# KiCad board sofle_nest.kicad_pcb
date: 2024-07-04; rev: v3.5.6
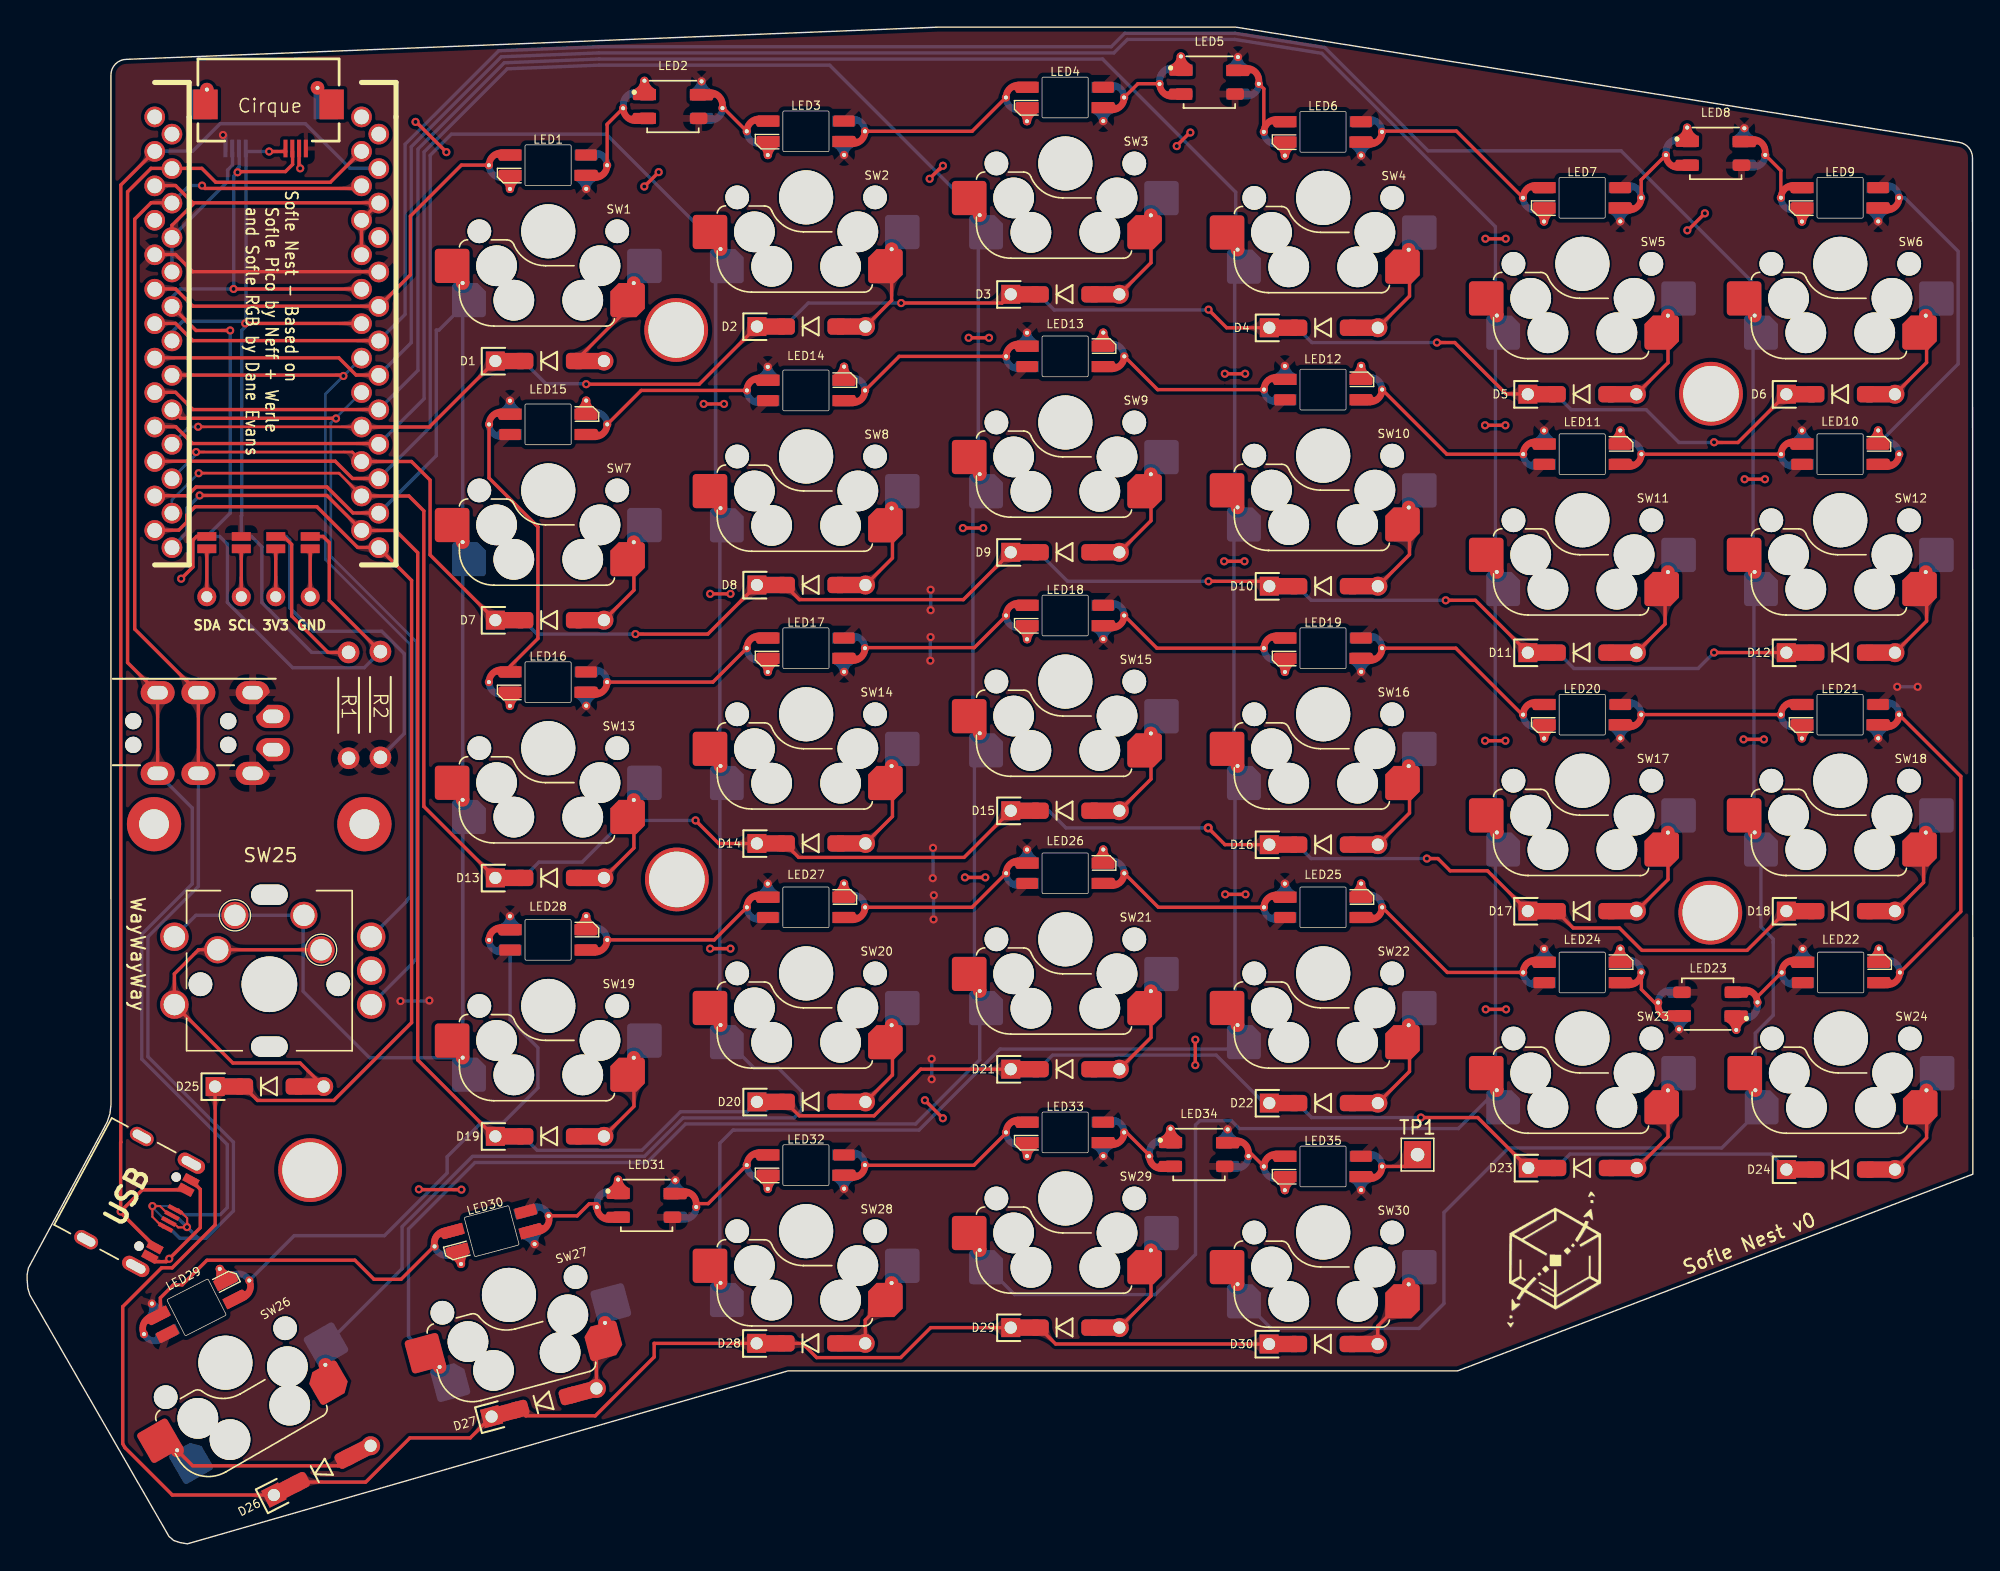
[diagram p0: board, top side]
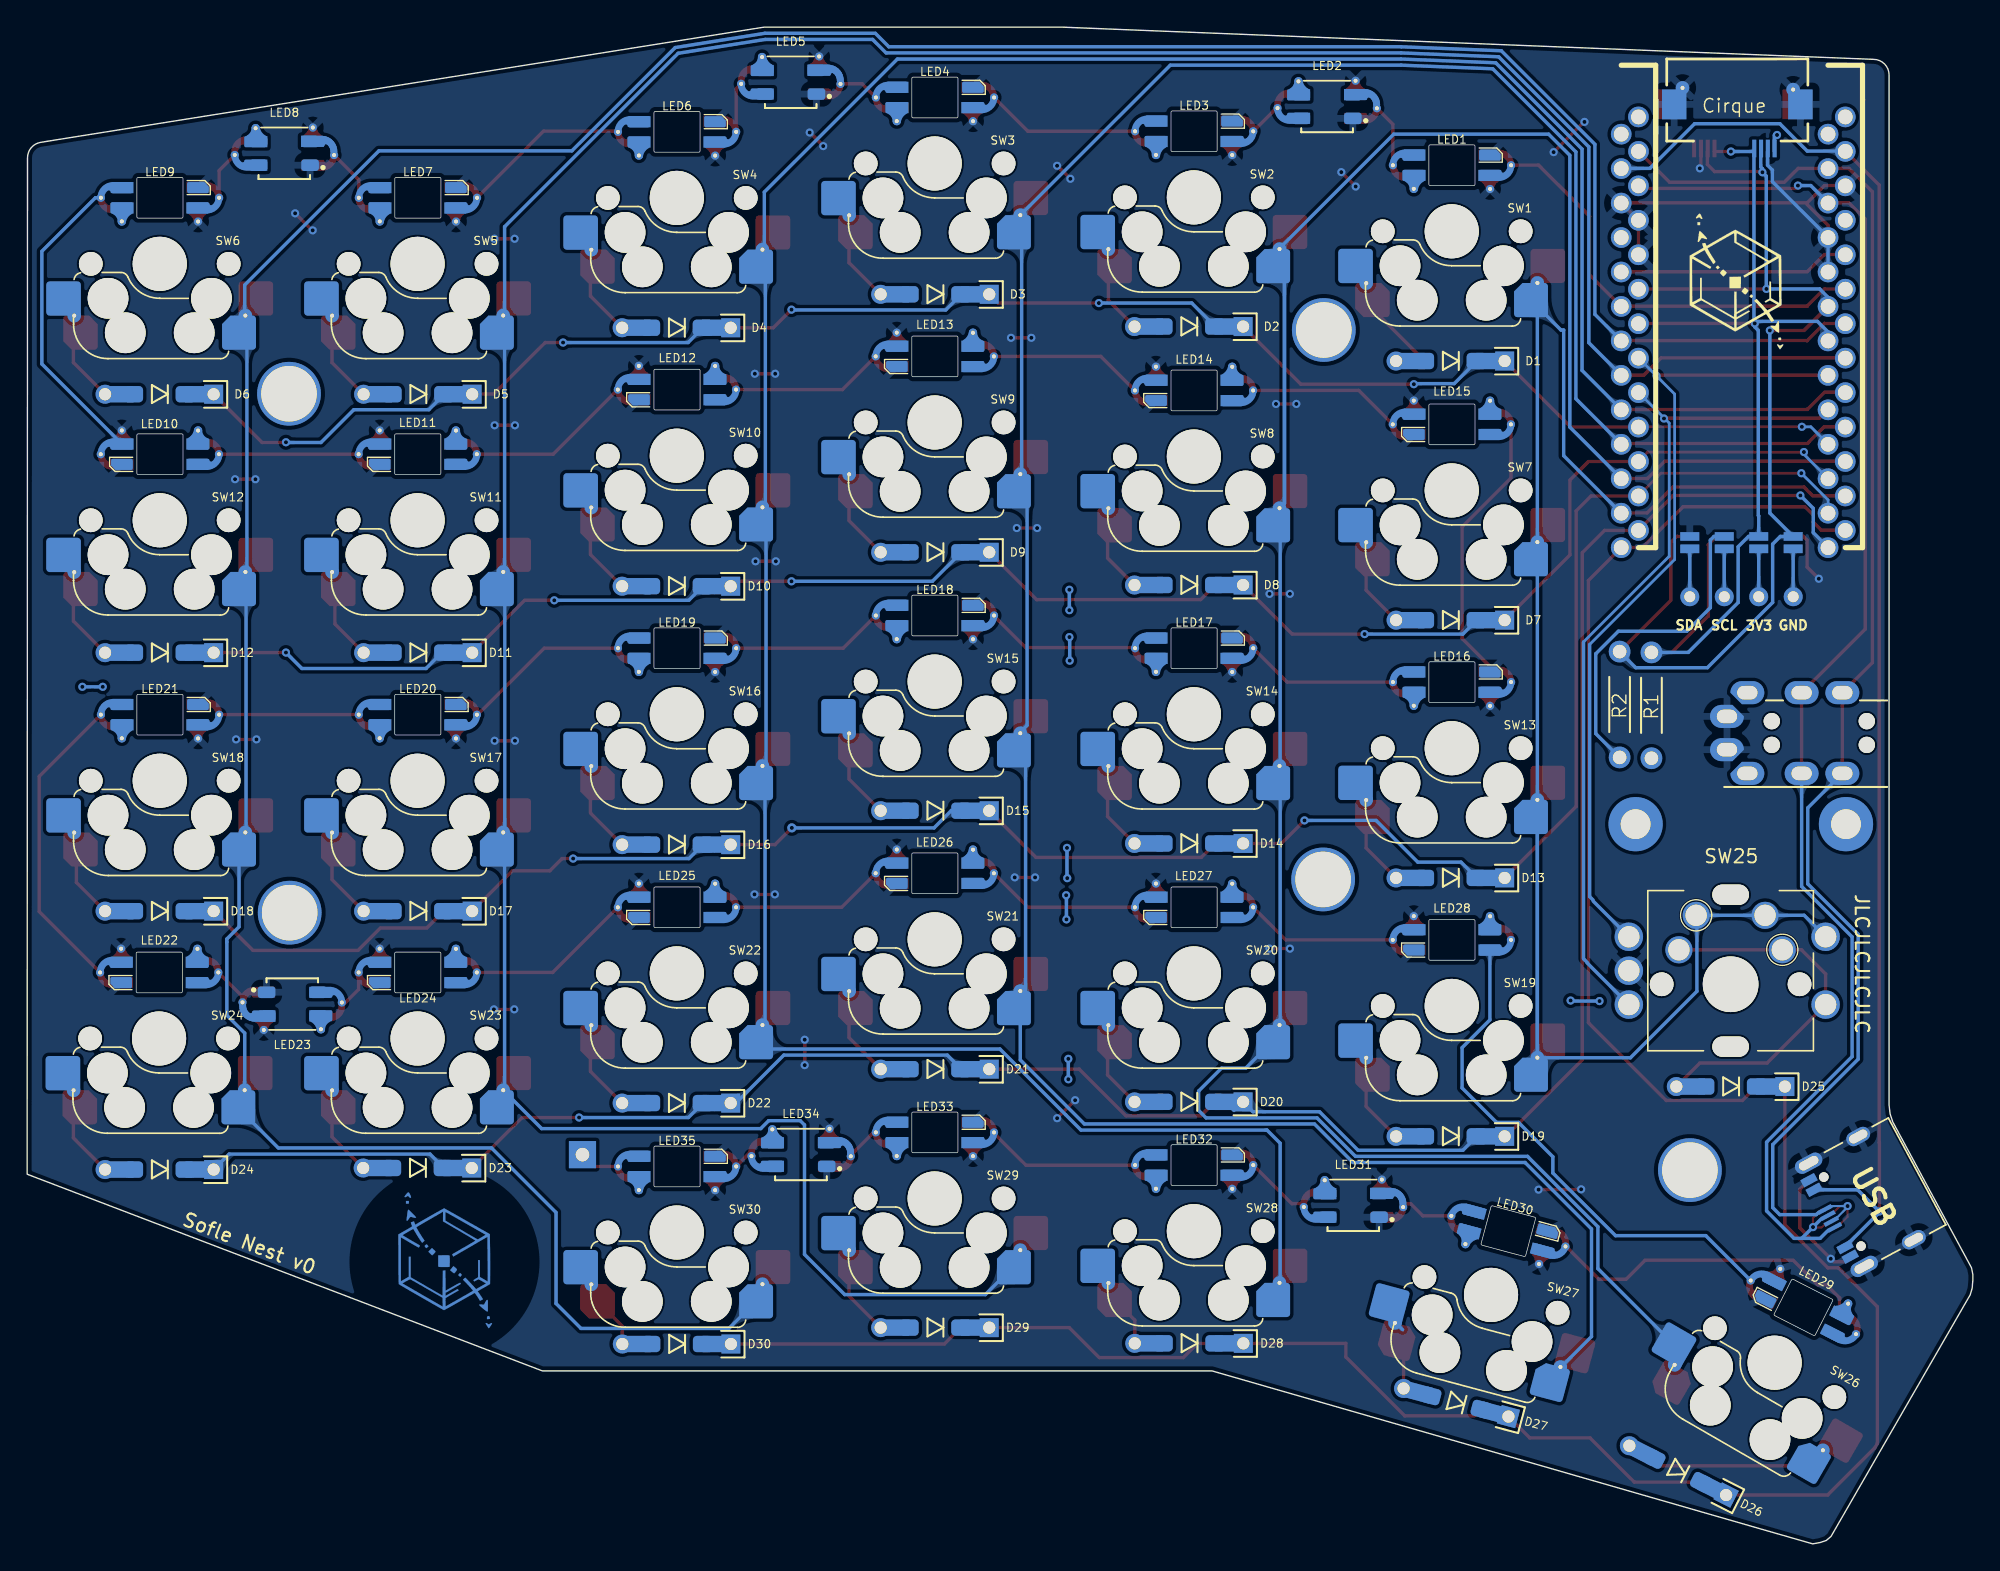
[diagram p1: board, bottom side, seen from below]

Outline 143.37 x 111.8 mm; copper layers: Top, Bottom. Coordinates in mm from the lower left corner of the outline.
Outline path: 143.07,102.91 142.93,103.05 142.76,103.17 142.58,103.25 142.38,103.3 89.06,111.8 67.11,111.8 7.33,109.42 7.09,109.4 6.88,109.33 6.68,109.23 6.51,109.09 6.37,108.92 6.26,108.72 6.2,108.5 6.17,108.27 6.18,32.35 6.1,31.7 5.9,31.1 0.1,20.35 0,19.85 0,19.45 0.05,18.85 0.2,18.35 10.45,0.55 10.8,0.25 11.25,0.1 11.8,0 56.05,12.75 105.4,12.75 143.37,27.25 143.34,102.17 143.32,102.38 143.27,102.57 143.18,102.75 closed
Stack: Top 0.035mm / dielectric 1.51mm FR4 er 4.5 / Bottom 0.035mm

## Placement (name value [footprint] x y rotation side)
D1  D  [D_SOD-123_DO-35_Hybrid_DoubleSided_V2]  38.5 87.19 0 bottom
D2  D  [D_SOD-123_DO-35_Hybrid_DoubleSided_V2]  57.77 89.73 0 bottom
D3  D  [D_SOD-123_DO-35_Hybrid_DoubleSided_V2]  76.48 92.1 0 bottom
D4  D  [D_SOD-123_DO-35_Hybrid_DoubleSided_V2]  95.53 89.64 0 bottom
D5  D  [D_SOD-123_DO-35_Hybrid_DoubleSided_V2]  114.58 84.74 0 bottom
D6  D  [D_SOD-123_DO-35_Hybrid_DoubleSided_V2]  133.63 84.74 0 bottom
D7  D  [D_SOD-123_DO-35_Hybrid_DoubleSided_V2]  38.5 68.09 0 bottom
D8  D  [D_SOD-123_DO-35_Hybrid_DoubleSided_V2]  57.77 70.68 0 bottom
D9  D  [D_SOD-123_DO-35_Hybrid_DoubleSided_V2]  76.48 73.09 0 bottom
D10  D  [D_SOD-123_DO-35_Hybrid_DoubleSided_V2]  95.53 70.59 0 bottom
D11  D  [D_SOD-123_DO-35_Hybrid_DoubleSided_V2]  114.58 65.69 0 bottom
D12  D  [D_SOD-123_DO-35_Hybrid_DoubleSided_V2]  133.63 65.69 0 bottom
D13  D  [D_SOD-123_DO-35_Hybrid_DoubleSided_V2]  38.5 49.09 0 bottom
D14  D  [D_SOD-123_DO-35_Hybrid_DoubleSided_V2]  57.77 51.63 0 bottom
D15  D  [D_SOD-123_DO-35_Hybrid_DoubleSided_V2]  76.48 54.04 0 bottom
D16  D  [D_SOD-123_DO-35_Hybrid_DoubleSided_V2]  95.53 51.54 0 bottom
D17  D  [D_SOD-123_DO-35_Hybrid_DoubleSided_V2]  114.58 46.64 0 bottom
D18  D  [D_SOD-123_DO-35_Hybrid_DoubleSided_V2]  133.63 46.64 0 bottom
D19  D  [D_SOD-123_DO-35_Hybrid_DoubleSided_V2]  38.5 30.04 0 bottom
D20  D  [D_SOD-123_DO-35_Hybrid_DoubleSided_V2]  57.77 32.58 0 bottom
D21  D  [D_SOD-123_DO-35_Hybrid_DoubleSided_V2]  76.48 34.99 0 bottom
D22  D  [D_SOD-123_DO-35_Hybrid_DoubleSided_V2]  95.53 32.49 0 bottom
D23  D  [D_SOD-123_DO-35_Hybrid_DoubleSided_V2]  114.61 27.7 0 bottom
D24  D  [D_SOD-123_DO-35_Hybrid_DoubleSided_V2]  133.63 27.59 0 bottom
D25  D  [D_SOD-123_DO-35_Hybrid_DoubleSided_V2]  17.85 33.71 0 bottom
D26  D  [D_SOD-123_DO-35_Hybrid_DoubleSided_V2]  21.75 5.42 27 bottom
D27  D  [D_SOD-123_DO-35_Hybrid_DoubleSided_V2]  38.08 10.42 15 bottom
D28  D  [D_SOD-123_DO-35_Hybrid_DoubleSided_V2]  57.75 14.78 0 bottom
D29  D  [D_SOD-123_DO-35_Hybrid_DoubleSided_V2]  76.48 15.94 0 bottom
D30  D  [D_SOD-123_DO-35_Hybrid_DoubleSided_V2]  95.51 14.73 0 bottom
J1  -  [MJ-4PP-9]  6.32 60.64 90 top
J2  Pheonix-1332645  [PHOENIX_1332645]  1.99 23.52 61.7 bottom
J3  Conn_01x04  [OLED Header]  17.05 69.81 0 top
J4  FFC2B35-12-G_REVA2  [GCT_FFC2B35-12-G_REVA2]  17.36 106.1 0 bottom
LED1  SK6803 MINI-E  [SK6812_MINI-E]  38.39 101.62 180 bottom
LED2  SK6803 MINI  [SK6812_MINI]  47.59 105.95 0 bottom
LED3  SK6803 MINI-E  [SK6812_MINI-E]  57.38 104.12 180 bottom
LED4  SK6803 MINI-E  [SK6812_MINI-E]  76.48 106.61 180 bottom
LED5  SK6803 MINI  [SK6812_MINI]  87.11 107.74 0 bottom
LED6  SK6803 MINI-E  [SK6812_MINI-E]  95.48 104.08 180 bottom
LED7  SK6803 MINI-E  [SK6812_MINI-E]  114.58 99.22 180 bottom
LED8  SK6803 MINI  [SK6812_MINI]  124.42 102.5 0 bottom
LED9  SK6803 MINI-E  [SK6812_MINI-E]  133.58 99.22 180 bottom
LED10  SK6803 MINI-E  [SK6812_MINI-E]  133.58 80.32 0 bottom
LED11  SK6803 MINI-E  [SK6812_MINI-E]  114.59 80.32 0 bottom
LED12  SK6803 MINI-E  [SK6812_MINI-E]  95.48 85.08 0 bottom
LED13  SK6803 MINI-E  [SK6812_MINI-E]  76.48 87.53 0 bottom
LED14  SK6803 MINI-E  [SK6812_MINI-E]  57.38 85.02 0 bottom
LED15  SK6803 MINI-E  [SK6812_MINI-E]  38.38 82.52 0 bottom
LED16  SK6803 MINI-E  [SK6812_MINI-E]  38.39 63.52 180 bottom
LED17  SK6803 MINI-E  [SK6812_MINI-E]  57.38 66.02 180 bottom
LED18  SK6803 MINI-E  [SK6812_MINI-E]  76.49 68.43 180 bottom
LED19  SK6803 MINI-E  [SK6812_MINI-E]  95.48 66.02 180 bottom
LED20  SK6803 MINI-E  [SK6812_MINI-E]  114.59 61.12 180 bottom
LED21  SK6803 MINI-E  [SK6812_MINI-E]  133.58 61.12 180 bottom
LED22  SK6803 MINI-E  [SK6812_MINI-E]  133.63 42.12 0 bottom
LED23  SK6803 MINI  [SK6812_MINI]  123.83 39.78 180 bottom
LED24  SK6803 MINI-E  [SK6812_MINI-E]  114.58 42.12 0 bottom
LED25  SK6803 MINI-E  [SK6812_MINI-E]  95.48 46.92 0 bottom
LED26  SK6803 MINI-E  [SK6812_MINI-E]  76.49 49.43 0 bottom
LED27  SK6803 MINI-E  [SK6812_MINI-E]  57.38 46.92 0 bottom
LED28  SK6803 MINI-E  [SK6812_MINI-E]  38.38 44.52 0 bottom
LED29  SK6803 MINI-E  [SK6812_MINI-E#2]  12.49 17.43 27 bottom
LED30  SK6803 MINI-E  [SK6812_MINI-E]  34.23 23.05 195 bottom
LED31  SK6803 MINI  [SK6812_MINI]  45.65 24.95 0 bottom
LED32  SK6803 MINI-E  [SK6812_MINI-E]  57.38 27.92 180 bottom
LED33  SK6803 MINI-E  [SK6812_MINI-E]  76.48 30.33 180 bottom
LED34  SK6803 MINI  [SK6812_MINI]  86.35 28.7 0 bottom
LED35  SK6803 MINI-E  [SK6812_MINI-E]  95.48 27.82 180 bottom
R1  2.2k  [Pullup Resistor]  23.68 61.72 270 top
R2  2.2k  [Pullup Resistor]  26.03 61.78 270 top
Ref**  Val**  [nest_logo_b.cu]  112.62 20.79 0 top
REF**  VAL**  [nest_logo]  112.63 20.79 0 top
Ref**#2  Val**  [nest_logo_bsilk]  17.53 92.88 0 top
SW1  SW_PUSH  [Cherry_MX_DS_Hotswap_v3.5.4]  38.4 96.75 0 bottom
SW2  SW_PUSH  [Cherry_MX_DS_Hotswap_v3.5.4]  57.4 99.25 0 bottom
SW3  SW_PUSH  [Cherry_MX_DS_Hotswap_v3.5.4]  76.5 101.75 0 bottom
SW4  SW_PUSH  [Cherry_MX_DS_Hotswap_v3.5.4]  95.5 99.21 0 bottom
SW5  SW_PUSH  [Cherry_MX_DS_Hotswap_v3.5.4]  114.6 94.35 0 bottom
SW6  SW_PUSH  [Cherry_MX_DS_Hotswap_v3.5.4]  133.6 94.35 0 bottom
SW7  SW_PUSH  [Cherry_MX_DS_Hotswap_v3.5.4]  38.4 77.65 0 bottom
SW8  SW_PUSH  [Cherry_MX_DS_Hotswap_v3.5.4]  57.4 80.15 0 bottom
SW9  SW_PUSH  [Cherry_MX_DS_Hotswap_v3.5.4]  76.5 82.66 0 bottom
SW10  SW_PUSH  [Cherry_MX_DS_Hotswap_v3.5.4]  95.5 80.21 0 bottom
SW11  SW_PUSH  [Cherry_MX_DS_Hotswap_v3.5.4]  114.6 75.45 0 bottom
SW12  SW_PUSH  [Cherry_MX_DS_Hotswap_v3.5.4]  133.6 75.45 0 bottom
SW13  SW_PUSH  [Cherry_MX_DS_Hotswap_v3.5.4]  38.4 58.65 0 bottom
SW14  SW_PUSH  [Cherry_MX_DS_Hotswap_v3.5.4]  57.4 61.15 0 bottom
SW15  SW_PUSH  [Cherry_MX_DS_Hotswap_v3.5.4]  76.5 63.56 0 bottom
SW16  SW_PUSH  [Cherry_MX_DS_Hotswap_v3.5.4]  95.5 61.15 0 bottom
SW17  SW_PUSH  [Cherry_MX_DS_Hotswap_v3.5.4]  114.6 56.25 0 bottom
SW18  SW_PUSH  [Cherry_MX_DS_Hotswap_v3.5.4]  133.6 56.25 0 bottom
SW19  SW_PUSH  [Cherry_MX_DS_Hotswap_v3.5.4]  38.4 39.65 0 bottom
SW20  SW_PUSH  [Cherry_MX_DS_Hotswap_v3.5.4]  57.4 42.05 0 bottom
SW21  SW_PUSH  [Cherry_MX_DS_Hotswap_v3.5.4]  76.5 44.56 0 bottom
SW22  SW_PUSH  [Cherry_MX_DS_Hotswap_v3.5.4]  95.5 42.05 0 bottom
SW23  SW_PUSH  [Cherry_MX_DS_Hotswap_v3.5.4]  114.6 37.25 0 bottom
SW24  SW_PUSH  [Cherry_MX_DS_Hotswap_v3.5.4]  133.65 37.25 0 bottom
SW25  Rotary_Encoder_Switch-Device  [RotaryEncoder_Alps_EC11E-Switch_Vertical_H20mm-keebio_modified_hotswap]  17.85 42.25 180 top
SW26  SW_PUSH  [Cherry_MX_DS_Hotswap_v3.5.4]  14.61 13.35 30 bottom
SW27  SW_PUSH  [Cherry_MX_DS_Hotswap_v3.5.4]  35.5 18.35 15 bottom
SW28  SW_PUSH  [Cherry_MX_DS_Hotswap_v3.5.4]  57.4 23.05 0 bottom
SW29  SW_PUSH  [Cherry_MX_DS_Hotswap_v3.5.4]  76.5 25.46 0 bottom
SW30  SW_PUSH  [Cherry_MX_DS_Hotswap_v3.5.4]  95.5 22.95 0 bottom
TH1  HOLE  [M2_HOLE_PCB]  9.35 53.05 0 top
TH2  HOLE  [M2_HOLE_PCB]  24.85 53.05 0 top
TH3  HOLE  [Hole from sofle for M2 posts gold rimmer]  47.82 89.47 0 top
TH4  HOLE  [Hole from sofle for M2 posts gold rimmer]  124.07 84.78 0 top
TH5  HOLE  [Hole from sofle for M2 posts gold rimmer]  124.03 46.53 0 top
TH6  HOLE  [Hole from sofle for M2 posts gold rimmer]  47.88 48.97 0 top
TH7  HOLE  [Hole from sofle for M2 posts gold rimmer]  20.85 27.55 0 top
TP1  TestPoint  [TestPoint_THTPad_2.0x2.0mm_Drill1.0mm]  102.45 28.69 0 top
U2  kb2040  [kb2040_compact]  17.02 91.21 0 top

## Library data of the parts
D1-D30 = -: JLCPCB_PN: C81598; MFG: Semtech; MFG PN: 1N4148W; Voltage Rating: 75v; ki_fp_filters: TO-???* *_Diode_* *SingleDiode* D_*
J2 = -: DigiKey_Part_Number: 277-1332645CT-ND; SnapEDA_Link: https://www.snapeda.com/parts/1332645/Phoenix+Contact/view-part/?ref=snap; MAXIMUM_PACKAGE_HEIGHT: 3.26mm; Package: None; Check_prices: https://www.snapeda.com/parts/1332645/Phoenix+Contact/view-part/?ref=eda; STANDARD: Manufacturer Recommendations; PARTREV: 17.01.2022; MF: Phoenix Contact; MP: 1332645; Description_1: CUC-USB3.1-J1ST-AH/UCF-SMD | Phoenix Contact 1332645; MANUFACTURER: Phoenix Contact
J3 = -: Description: Generic connector, single row, 01x04, script generated (kicad-library-utils/schlib/autogen/connector/); ki_fp_filters: Connector*:*_1x??_*
J4 = -: DigiKey_Part_Number: 2073-FFC2B35-12-GCT-ND; SnapEDA_Link: https://www.snapeda.com/parts/FFC2B35-12-G/Global+Connector+Technology/view-part/?ref=snap; MAXIMUM_PACKAGE_HEIGHT: 2 mm; Package: None; Check_prices: https://www.snapeda.com/parts/FFC2B35-12-G/Global+Connector+Technology/view-part/?ref=eda; STANDARD: Manufacturer Recommendations; PARTREV: A2; MF: Global Connector Technology; MP: FFC2B35-12-G; Description_1: 0.5mm Side entry Flat Flexible Cable Connector; MANUFACTURER: GCT
R1 R2 = -: Description: Resistor, US symbol; ki_fp_filters: R_*
SW25 = -: ki_fp_filters: RotaryEncoder*Switch*
TH1-TH7 = -: ki_fp_filters: MountingHole*
TP1 = -: JLCPCB_PN: C94111; ki_fp_filters: Pin* Test*
